# Altium PCB LTC5584.PcbDoc (continued)
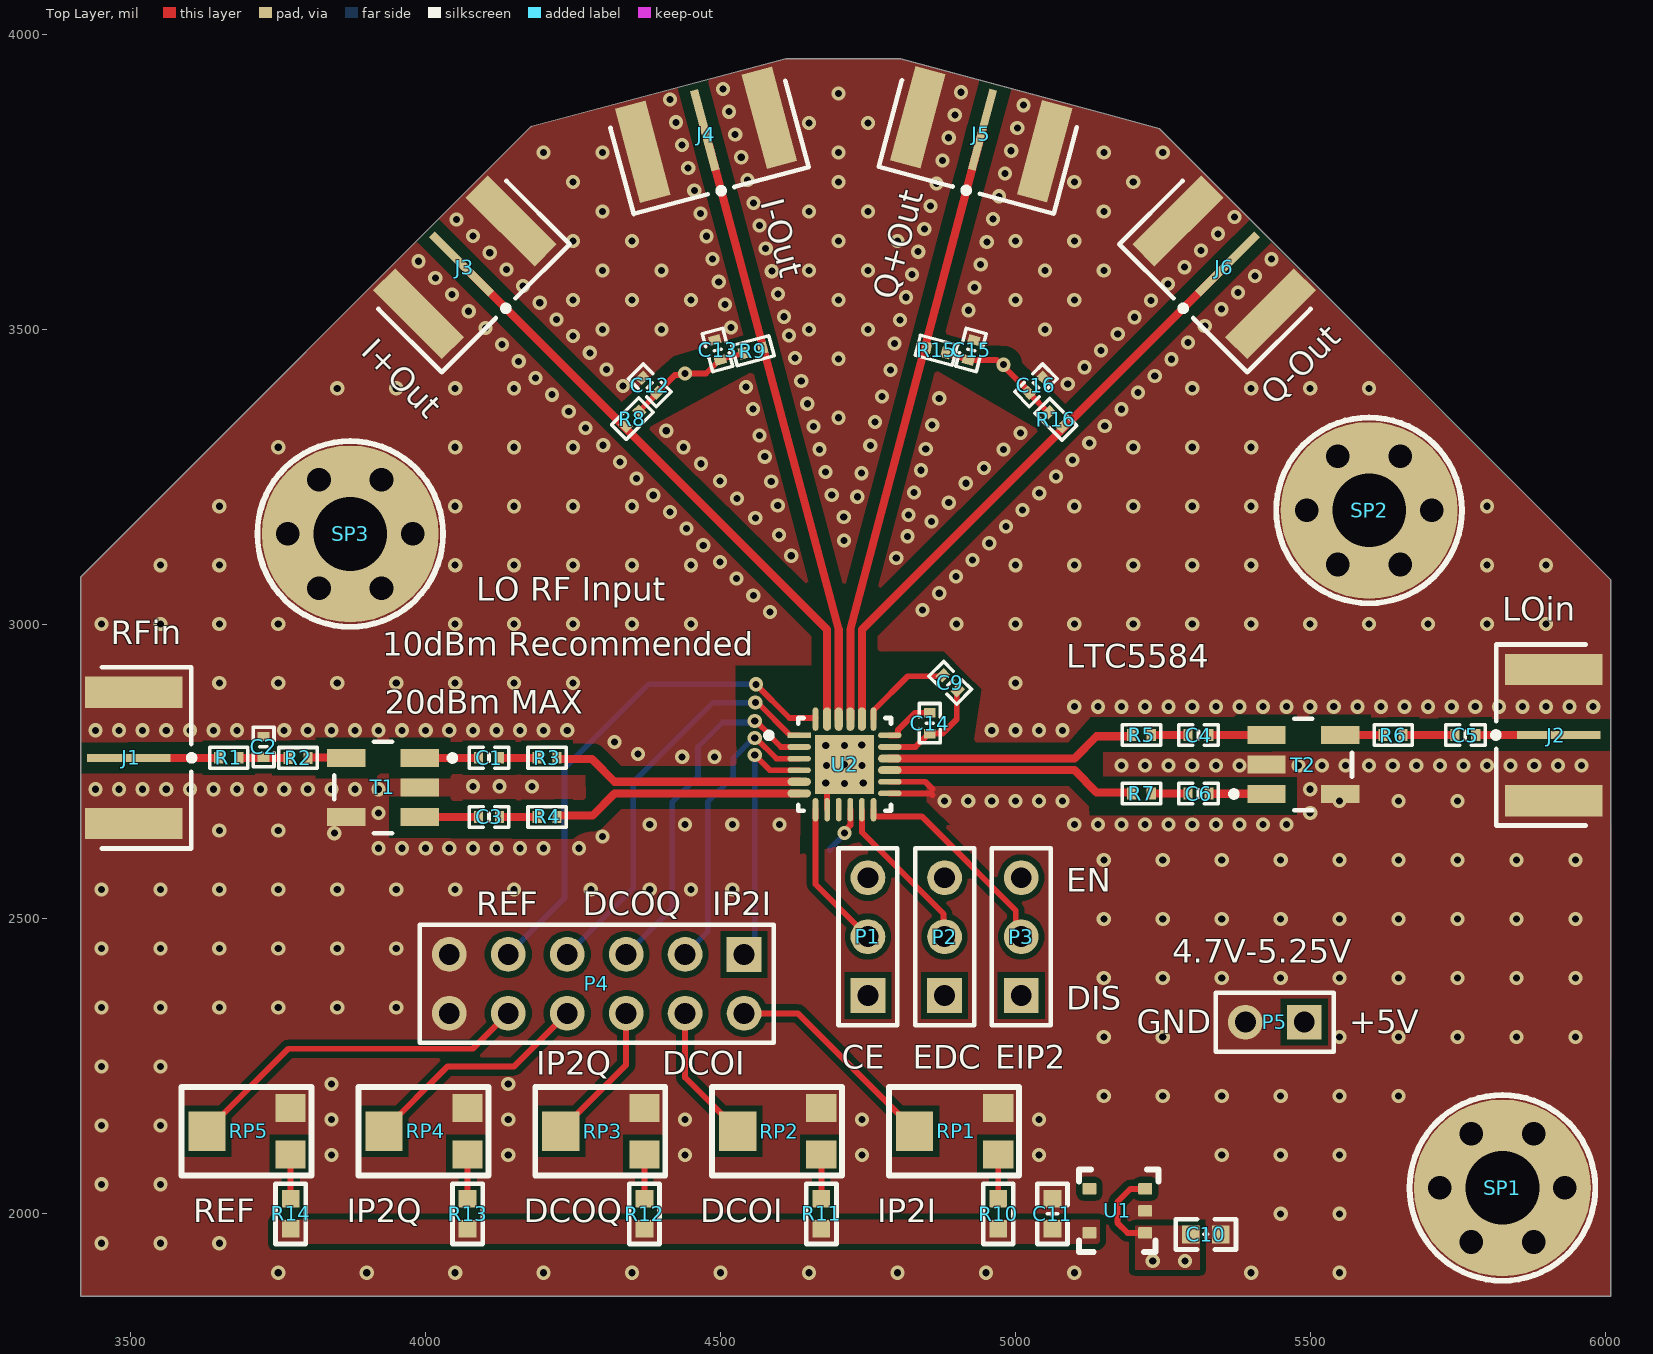
[diagram p0: Top Layer view]
## Layer stack, top to bottom
Top Solder: solder mask 0.4, Solder Resist, Dk 3.5
Top Layer: signal copper 1.4
Dielectric 2: prepreg 2.8, PP-006, Dk 4.1
GND: signal copper 1.378
Dielectric 1: dielectric 12.6, FR-4, Dk 4.8
VCC: signal copper 1.378
Dielectric 3: prepreg 2.8, PP-006, Dk 4.1
Bottom Layer: signal copper 1.4
Bottom Solder: solder mask 0.4, Solder Resist, Dk 3.5

## Board outline
3415,1860 3415,3080 4178.81,3843.81 4178.76,3843.98 4610.42,3958.87 4805.19,3958.87 5155,3865 5245.02,3840.14 5245.02,3839.98 6010,3075 6010,1860

## Design rules (kind name [scope] priority, off if disabled: settings)
Clearance [All] p1: gap=10 ignorepadtopadclearanceinfootprint=TRUE except(4: Arc-Arc Arc-Track Track-Track; 5: Arc-SMDPad Arc-THPad Arc-Via Arc-Text Arc-Hole Track-SMDPad Track-THPad Track-Via Track-Text Track-Hole SMDPad-SMDPad SMDPad-THPad SMDPad-Via SMDPad-Text SMDPad-Hole THPad-THPad THPad-Via THPad-Text THPad-Hole Via-Via Via-Text Via-Hole Text-Text Text-Hole)
PlaneConnect [All] p1: planeconnectstyle=Direct reliefexpansion=20 reliefentries=4 reliefconductorwidth=10 reliefairgap=10
PolygonConnect [All] p1: connectstyle=Direct reliefconductorwidth=10 reliefentries=4 polygonreliefangle="90 Angle" airgapwidth=10
RoutingVias [All] p1: holewidth=28 width=50 viastyle="Through Hole" minholewidth=28 minwidth=50 maxholewidth=28 maxwidth=50
SolderMaskExpansion [All] p1: expansion=4 istentingtop=FALSE
Width [All] p1: maxlimit=20 minlimit=9.55 preferedwidth=13.75
29 further rules are at their usual default settings.

## Components (designator, comment, footprint, x,y, rotation, side; value= is the part's Value field where it differs from the comment)
C1 "10nF" "C 0402_L" 4107.38,2773.18 r0 top
C2 "2.7pF" "C 0402_L" 3725,2791.88 r270 top
C3 "10nF" "C 0402_L" 4107.38,2673 r0 top
C4 "1nF" "C 0402_L" 5310.62,2811.96 r0 top
C5 "1nF" "C 0402_L" 5763.24,2812 r0 top
C6 "1nF" "C 0402_L" 5310.62,2712.77 r0 top
C7 "10nF" "C 0402_L" 4668,2617 r180 bottom
C8 "4.7uF" "C 0603_L" 4640,2560 r180 bottom
C9 "100nF" "C 0402_L" 4889.52,2900.47 r135 top
C10 "2.2uF" "C 0603_L" 5322.97,1965 r180 top
C11 "2.2uF" "C 0603_L" 5062.97,2000 r270 top
C12 "1uF" "C 0402_L" 4380,3405 r315 top
C13 "1uF" "C 0402_L" 4495,3465 r285 top
C14 "100nF" "C 0402_L" 4855,2832 r90 top
C15 "1uF" "C 0402_L" 4925,3465 r255 top
C16 "1uF" "C 0402_L" 5035,3405 r225 top
C17 "100nF" "C 0402_L" 4580,2620 r0 bottom
C18 "100nF" "C 0402_L" 4500,2620 r0 bottom
C19 "100nF" "C 0402_L" 4420,2720 r135 bottom
C20 "100nF" "C 0402_L" 4435,2845.76 r135 bottom
C21 "100nF" "C 0402_L" 4480,2922.29 r90 bottom
J1 "SMA-J-P-H-ST-EM1" FP-SMA-J-P-H-ST-EM1-MFG 3234.5,2773.18 r270 top
J2 "SMA-J-P-H-ST-EM1" FP-SMA-J-P-H-ST-EM1-MFG 6183.5,2811.96 r90 top
J3 "SMA-J-P-H-ST-EM1" FP-SMA-J-P-H-ST-EM1-MFG 3875.33,3796.11 r225 top
J4 "SMA-J-P-H-ST-EM1" FP-SMA-J-P-H-ST-EM1-MFG 4405.62,4090.91 r195 top
J5 "SMA-J-P-H-ST-EM1" FP-SMA-J-P-H-ST-EM1-MFG 5012.05,4091.67 r165 top
J6 "SMA-J-P-H-ST-EM1" FP-SMA-J-P-H-ST-EM1-MFG 5545.19,3796.11 r135 top
P1 "Header 3" HDR1X3 4750,2370 r90 top
P2 "Header 3" HDR1X3 4880,2370 r90 top
P3 "Header 3" HDR1X3 5010,2370 r90 top
P4 "Header 6X2" HDR2X6 4540,2440 r180 top
P5 "Header 2" HDR1X2 5490,2325 r180 top
R1 "5.6nH" "R 0402_L" 3665.02,2773.18 r0 top
R2 "7.5nH" "R 0402_L" 3782.52,2773.07 r0 top
R3 "0" "R 0402_L" 4205,2773.18 r0 top
R4 "0" "R 0402_L" 4205,2673 r0 top
R5 "0" "R 0402_L" 5213,2812 r0 top
R6 "0" "R 0402_L" 5639.82,2812 r0 top
R7 "0" "R 0402_L" 5213,2712.77 r0 top
R8 "100" "R 0402_L" 4350,3348 r45 top
R9 "100" "R 0402_L" 4554.02,3463.58 r15 top
R10 "400" "R 0603_L" 4971,2000 r270 top
R11 "400" "R 0603_L" 4671,2000 r270 top
R12 "400" "R 0603_L" 4371,2000 r270 top
R13 "400" "R 0603_L" 4071,2000 r270 top
R14 "400" "R 0603_L" 3771,2000 r270 top
R15 "100" "R 0402_L" 4865,3465 r345 top
R16 "100" "R 0402_L" 5068,3348 r315 top
RP1 "500" 3303W 4900,2140 r90 top
RP2 "500" 3303W 4600,2140 r90 top
RP3 "500" 3303W 4300,2140 r90 top
RP4 "500" 3303W 4000,2140 r90 top
RP5 "500" 3303W 3700,2140 r90 top
SP1 "M3铜柱" M3x4_N 5826,2044 r0 top
SP2 "M3铜柱" M3x4_N 5600,3193 r0 top
SP3 "M3铜柱" M3x4_N 3872,3153 r0 top
T1 "TC1-1-13M+" FP-TC1-1-13M+-MFG 3927.53,2723 r270 top
T2 "TC1-1-13M+" FP-TC1-1-13M+-MFG 5488.5,2761.96 r90 top
U1 "LR8323B-T18" DBV0005A_L 5172.97,2005 r180 top
U2 "LTC5584IUF#PBF" FP-UF-24-05-08-1697-IPC_A 4710.26,2762.18 r0 top locked

## Footprints (in the part's own frame and the unit in brackets; to place one, negate y for a bottom-side part, rotate by r counter-clockwise, add the part's x,y. Pads: shape width x height; smd on the part's side, far side on the other; paste and mask are expansions set on the pad)
3303W [mm] "3.5*3.1*1.5mm"
  rect 1.2x1.3 smd: 1(-1,-1.8) 3(1,-1.8)
  rect 1.7x1.6 smd: 2(0,1.8)
  silkscreen extent -1.9,-2.7 1.9,2.9, body extent -1.55,-2.05 1.55,2.05, height 1.45
"C 0402_L" [mm] "无极性贴片电容"
  rect 0.4x0.5 smd: 1(-0.45,0) 2(0.45,0)
  silkscreen extent -0.85,-0.45 0.85,0.45, body extent -0.5,-0.26 0.5,0.26, height 0.53
"C 0603_L" [mil] "无极性贴片电容"
  rect 30x30 smd: 1(-25.59,0) 2(25.59,0)
  silkscreen extent -51,-26 51,26, body extent -31,-16 31,16, height 32
DBV0005A_L [mm] "SOT23, 5-Leads, Body 3.05x1.75mm, Pitch 0.95mm, IPC High Density"
  rrect18% 0.6x0.5 smd mask+0.051: 1(-1.2,0.95) 2(-1.2,0) 3(-1.2,-0.95) 4(1.2,-0.95) 5(1.2,0.95)
  silkscreen extent -1.78,-1.78 1.65,1.78, body extent -1.42,-1.46 1.42,1.46, height 1.08
FP-SMA-J-P-H-ST-EM1-MFG [mm]
  rect 0.349x3.6 smd paste+0 mask+0: 1(0,6.66)
  rect 1.35x4.2 smd paste+0 mask+0: 2(-2.825,6.86) 3(2.825,6.86)
  rect 1.35x4.2 smd far side paste+0 mask+0: 4(-2.825,6.86) 5(2.825,6.86)
  silkscreen extent -3.9,5.5 3.9,9.49, body extent -3.6,-4.92 3.6,9.06, height 0.25
FP-TC1-1-13M+-MFG [mil]
  rect 30x65 smd paste+0 mask+0: 1(-50,62.5) 2(0,62.5) 3(50,62.5) 4(50,-62.5) 6(-50,-62.5)
  silkscreen extent -77,-82 78,123, body extent -81,-99 81,99, height 10
FP-UF-24-05-08-1697-IPC_A [mm]
  rect 1.01x0.242 smd paste+0 mask+0: 1(-1.951,1.25)
  rrect100% 1.01x0.242 smd paste+0 mask+0: 2(-1.951,0.75) 3(-1.951,0.25) 4(-1.951,-0.25) 13(1.951,-1.25) 14(1.951,-0.75) 17(1.951,0.75) 18(1.951,1.25)
  rrect100% 1.01x0.349 smd paste+0 mask+0: 5(-1.951,-0.75) 6(-1.951,-1.25) 15(1.951,-0.25) 16(1.951,0.25)
  rrect100% 0.242x1.01 smd paste+0 mask+0: 7(-1.25,-1.951) 8(-0.75,-1.951) 9(-0.25,-1.951) 10(0.25,-1.951) 11(0.75,-1.951) 12(1.25,-1.951) 19(1.25,1.951) 24(-1.25,1.951)
  rrect100% 0.349x1.01 smd paste+0 mask+0: 20(0.75,1.951) 21(0.25,1.951) 22(-0.25,1.951) 23(-0.75,1.951)
  rect 2.55x2.55 smd paste-1000 mask+0: 25(0,0)
  silkscreen extent -3.38,-2 2,2, body extent -2.96,-2.96 2.96,2.96, height 0.25
HDR1X2 [mm] "Connector; Header; 2 Position"
  rect 1.5x1.5 hole 0.9: 1(0,0)
  round 1.5 hole 0.9: 2(2.54,0)
  silkscreen extent -1.27,-1.27 3.81,1.27
HDR1X3 [mm] "Connector; Header; 3 Position"
  rect 1.5x1.5 hole 0.9: 1(0,0)
  round 1.5 hole 0.9: 2(2.54,0) 3(5.08,0)
  silkscreen extent -1.27,-1.27 6.35,1.27
HDR2X6 [mm] "Connector; Header; 6x2 Position"
  rect 1.5x1.5 hole 0.9: 1(0,0)
  round 1.5 hole 0.9: 2(0,2.54) 3(2.54,0) 4(2.54,2.54) 5(5.08,0) 6(5.08,2.54) 7(7.62,0) 8(7.62,2.54) 9(10.16,0) 10(10.16,2.54) 11(12.7,0) 12(12.7,2.54)
  silkscreen extent -1.27,-1.27 13.97,3.81
M3x4_N [mil] "M3铜柱，长：4mm"
  round 40 hole 40: 1(-106,0) 1(-53,-91.8) 1(-53,91.8) 1(53,-91.8) 1(53,91.8) 1(106,0)
  round 300 hole 125: 1(0,0)
  silkscreen extent -157,-157 157,157, body extent -106,-93 106,93, height 159
"R 0402_L" [mm] "1/16W贴片电阻 https://item.taobao.com/item.htm?ft=t&id=613637044352"
  rect 0.4x0.5 smd: 1(-0.4,0) 2(0.45,0)
  silkscreen extent -0.8,-0.45 0.85,0.45, body extent -0.5,-0.25 0.5,0.25, height 0.3
"R 0603_L" [mil] "1/10W贴片电阻 https://item.taobao.com/item.htm?ft=t&id=613637044352"
  rect 30x30 smd: 1(-25.59,0) 2(25.59,0)
  silkscreen extent -51,-26 51,26, body extent -31,-16 32,16, height 16

## Part data
C1 C2 C3 C4 C5 C6 C7 C8 C9 C10 C11 C12 C13 C14 C15 C16 C17 C18 C19 C20 C21: library part C, "贴片电容", BOM名称=贴片电容, 下单链接=https://item.taobao.com/item.htm?ft=t&id=613637044352, 淘宝ID=小糖豆的小窝窝
J1 J2 J3 J4 J5 J6: library part CMP-02754-000006-1, "CONN SMA JACK STR 50OHM EDGE MNT", Case/Package=SMA, Dielectric Material=PTFE, Housing Color=Gold, Max Frequency=6GHz, Max Operating Temperature=125°C, Min Operating Temperature=-65°C, Package Quantity=1, Voltage Rating=335V, Body Material=Brass, Body Plating=Gold, Center Contact Plating=Gold, Connector Type=SMA, Contact Material=Copper, Contact Plating=Gold, Depth=13.33mm, Fastening Type=Threaded, Impedance=50R, Insulation Material=Polytetrafluoroethylene, Length=6.35mm, Mount=Edge, Orientation=Straight, Packaging=Tray, Radiation Hardening=No, RoHS Compliant=Yes, Series=SMA, Termination=Solder
P1 P2 P3: "Header, 3-Pin", LatestRevisionDate=17-Jul-2002, LatestRevisionNote="Re-released for DXP Platform.", Publisher="Altium Limited"
P4: "Header, 6-Pin, Dual row", LatestRevisionDate=17-Jul-2002, LatestRevisionNote="Re-released for DXP Platform.", Publisher="Altium Limited"
P5: "Header, 2-Pin", LatestRevisionDate=17-Jul-2002, LatestRevisionNote="Re-released for DXP Platform.", Publisher="Altium Limited"
R1 R2 R3 R4 R5 R6 R7 R8 R9 R10 R11 R12 R13 R14 R15 R16: library part R, "贴片电阻", BOM名称=贴片电阻, 下单链接=https://item.taobao.com/item.htm?ft=t&id=613637044352, 淘宝ID=小糖豆的小窝窝
RP1 RP2 RP3 RP4 RP5: library part RP-SMD, "贴片电位器", BOM名称=贴片电位器, 下单链接=https://item.taobao.com/item.htm?ft=t&id=613637044352, 淘宝ID=小糖豆的小窝窝
SP1 SP2 SP3: library part 铜柱大焊盘, "铜柱", BOM名称=铜柱, 下单链接=https://item.taobao.com/item.htm?ft=t&id=613637044352, 淘宝ID=小糖豆的小窝窝
T1 T2: library part CMP-199822-000006-1, "RF Transformer Surface Mount 50Ω 4.5 to 3000 MHz", Frequency=4.5-3000MHz, Manufacturer=Mini-Circuits, Package=0, Temperature="-40°C to +85°C", Temperature Range High=+85°C, Temperature Range Low=-40°C, Automotive=No, Category=Trans, ComponentLink2Description=Datasheet, ComponentLink2URL=https://www.minicircuits.com/pdfs/TC1-1-13M+.pdf, Device Class L1="Passive Components", Device Class L2=Transformers, Device Class L3=unset, Footprint Url=https://www.minicircuits.com/case_style/AT224-1A.pdf, Height=4.06mm, Insertion Loss=0.18-3.02dB, Lead Free=Yes, Manufacturer Part Number=TC1-1-13M+, Octopart=https://octopart.com/tc1-1-13m%2B-mini-circuits-3993639, RoHS=TRUE, Turns Ratio=1:1
U1: "None"
U2: library part CMP-09141-000307-1, "RF DEMOD IC 30MHZ-1.4GHZ 24QFN", Case/Package=QFN, Max Frequency=1.4GHz, Max Operating Temperature=105°C, Max Supply Voltage=5.25V, Min Frequency=30MHz, Min Operating Temperature=-40°C, Min Supply Voltage=4.75V, Package Quantity=91, Gain=5.4dB, Lead Free="Lead Free", Noise Figure=9.9dB, Number of Pins=24, Packaging=Rail/Tube, Radiation Hardening=No, Reach SVHC Compliant=Yes, RoHS Compliant=Yes

## Via types
v1: diameter 24, hole 12, Top Layer to Bottom Layer, tented both sides, 508 vias

## Nets (pads, with @x,y where several pads share a name; then routed paths per layer and width w, separated by ;. In a path a pad name is that pad's centre, name@x,y a point inside that pad or via, vN(x,y) a via of type N, cw(c..) or ccw(c..) an arc to the next point about the centre after c; other vN are vias at no path point)
1V8: C11.2 R10.2 R11.2 R12.2 R13.2 R14.2 U1.5
+5: C7.1 C8.1 C10.2 C12.2 C13.2 C15.2 C16.2 P1.3 P2.3 P3.3 P5.1 R8.2 R9.1 R15.2 R16.1 U1.1 U1.3 U2.10 | length 664.4
  Top Layer w10: R8.2 4362.53,3361.5 4392.52,3391.5 C12.2 4422.37,3422.32 4437.32,3422.32 v1(4440,3425) 4475.3,3425 4498.19,3447.89 C13.2 4504,3450.1 4536.05,3458.68 R9.1 ; v1(4710.26,2645.8) 4710.26,2649.04 4720.1,2658.89 U2.10 ; R15.2 4884.39,3457.82 4915.8,3449.4 C15.2 4968.32,3447.89 4976.21,3440 v1(4980,3440) 4980,3437.47 5022.47,3395 C16.2 5025.95,3389.11 5054.36,3360.7 R16.1 ; U1.1 5190.37,1967.6 5172.97,1985 5172.97,2020 5195.37,2042.4 U1.3 ; C10.2@5294.78,1967.6 C10.2
  Bottom Layer w10: C7.1 4685.72,2618.97 4710.26,2643.51 v1(4710.26,2645.8)
  other v1: 5232.97,1920 5287.97,1920
DCOI: C18.1 P4.3 U2.3 | length 506.9
  Top Layer w9.55: v1(4558,2807) 4559.79,2807 4594.77,2772.02 U2.3
  Bottom Layer w9.55: P4.3 4478.23,2478.23 4478.23,2698.23 4521.77,2741.77 4521.77,2772.56 4556.21,2807 v1(4558,2807)
DCOI_ADJ: P4.4 RP2.2 | length 236.9
  Top Layer w10: P4.4 4440,2231.1 4529.13,2141.97 RP2.2
DCOQ: C19.1 P4.5 U2.2 | length 611.6
  Top Layer w9.55: v1(4558,2836) 4559.79,2836 4582.95,2812.84 4582.95,2811.05 4602.29,2791.71 U2.2
  Bottom Layer w9.55: P4.5 4418.23,2518.23 4418.23,2698.23 4461.77,2741.77 4461.77,2791.77 4503.23,2833.23 4555.23,2833.23 v1(4558,2836)
DCOQ_ADJ: P4.6 RP3.2 | length 245.9
  Top Layer w10: RP3.2 4229.13,2141.97 4340,2252.83 P4.6
EDC: P2.2 U2.11 | length 273.4
  Top Layer w10: U2.11 4739.79,2647.1 4878.22,2508.67 4878.22,2471.78 P2.2
EIP2: P3.2 U2.12 | length 366.8
  Top Layer w10: U2.12 4759.47,2674.23 4759.7,2674 4841,2674 5000.61,2514.39 5000.61,2479.39 P3.2
EN: P1.2 U2.7 | length 252.2
  Top Layer w10: U2.7 4661.05,2558.95 P1.2
GND: C2.1 C7.2 C8.2 C10.1 C11.1 C12.1 C13.1 C15.1 C16.1 C17.2 C18.2 C19.2 C20.2 C21.2 J1.2 J1.3 J1.4 J1.5 J2.2 J2.3 J2.4 J2.5 J3.2 J3.3 J3.4 J3.5 J4.2 J4.3 J4.4 J4.5 J5.2 J5.3 J5.4 J5.5 J6.2 J6.3 J6.4 J6.5 P4.11 P4.12 P5.2 RP1.3 RP2.3 RP3.3 RP4.3 RP5.3 SP1.1 SP2.1 SP3.1 T1.2 T1.4 T2.2 T2.6 U1.2 U2.8 U2.13 U2.14 U2.25 | length 198.3
  Top Layer w10: v1(4678.51,2730.43) 4680.73,2728.21 U2.8 ; U2.13 4857.03,2712.97 4860,2710 ; U2.14 4847.35,2732.65 4860,2720
  other v1: 3750,1900 3900,1900 4050,1900 4200,1900 4350,1900 4500,1900 4650,1900 4800,1900 4950,1900 5100,1900 5400,1900 5550,1900 3450,1950 3550,1950 3650,1950 5450,2000 5550,2000 3450,2050 3550,2050 3840,2100 4140,2100 4440,2100 4740,2100 5040,2100 5350,2100 5450,2100 5550,2100 3450,2150 3550,2150 3840,2160 4140,2160 4440,2160 4740,2160 5040,2160 5150,2200 5250,2200 5350,2200 5450,2200 5550,2200 5650,2200 3840,2220 4140,2220 3450,2250 3550,2250 5150,2300 5250,2300 5550,2300 5650,2300 5750,2300 5850,2300 5950,2300 3450,2350 3550,2350 3650,2350 3750,2350 3850,2350 3950,2350 5150,2400 5250,2400 5350,2400 5450,2400 5550,2400 5650,2400 5750,2400 5850,2400 5950,2400 3450,2450 3550,2450 3650,2450 3750,2450 3850,2450 3950,2450 5150,2500 5250,2500 5350,2500 5450,2500 5550,2500 5650,2500 5750,2500 5850,2500 5950,2500 3450,2550 3550,2550 3650,2550 3750,2550 3850,2550 3950,2550 4050,2550 4150,2550 4280,2550 4380,2550 4450,2550 4520,2550 5150,2600 5250,2600 5350,2600 5450,2600 5550,2600 5650,2600 5750,2600 5850,2600 5950,2600 3920,2620 3960,2620 4000,2620 4040,2620 4080,2620 4120,2620 4160,2620 4200,2620 4260,2620 4300,2640 3845.03,2645.5 3650,2650 3750,2650 4380,2660 4440,2660 4520,2660 4600,2660 5100,2660 5140,2660 5180,2660 5220,2660 5260,2660 5300,2660 5340,2660 5380,2660 5420,2660 5460,2660 3920,2680 5500,2680 4880,2700 4920,2700 4960,2700 5000,2700 5040,2700 5080,2700 5550,2700 5650,2700 5750,2700 3440,2720 3480,2720 3520,2720 3560,2720 3600,2720 3640,2720 3680,2720 3720,2720 3760,2720 3800,2720 3840,2720 3880,2720 3920,2720 5500,2720 4180.55,2724.39 4080,2725 4125,2725 4710,2730 4742.01,2730.43 4680,2760 4740,2760 5180,2760 5220,2760 5260,2760 5300,2760 5340,2760 5380,2760 5480,2760 5520,2760 5560,2760 5600,2760 5640,2760 5680,2760 5720,2760 5760,2760 5800,2760 5840,2760 5880,2760 5920,2760 5960,2760 4710.26,2762.18 4435,2775 4490,2775 4360,2780 4678.51,2793.93 4710.2,2794.48 4739.46,2794.89 4320,2800 3440,2820 3480,2820 3520,2820 3560,2820 3600,2820 3640,2820 3680,2820 3760,2820 3800,2820 3840,2820 3880,2820 3920,2820 3960,2820 4000,2820 4040,2820 4080,2820 4120,2820 4160,2820 4200,2820 4240,2820 4960,2820 5000,2820 5040,2820 5080,2820 5100,2860 5140,2860 5180,2860 5220,2860 5260,2860 5300,2860 5340,2860 5380,2860 5420,2860 5460,2860 5500,2860 5540,2860 5580,2860 5620,2860 5660,2860 5700,2860 5740,2860 5780,2860 5820,2860 5860,2860 5900,2860 5940,2860 5980,2860 3650,2900 3750,2900 3850,2900 3950,2900 4050,2900 4150,2900 4250,2900 5000,2900 3450,3000 3550,3000 3650,3000 3750,3000 4050,3000 4150,3000 4250,3000 4350,3000 4450,3000 4900,3000 5000,3000 5100,3000 5200,3000 5300,3000 5400,3000 5500,3000 5600,3000 5700,3000 5800,3000 5900,3000 4583.88,3020.6 4842.6,3024.12 4555.59,3048.89 4870.89,3052.41 4527.31,3077.17 4899.17,3080.69 3550,3100 3650,3100 4050,3100 4150,3100 4250,3100 4350,3100 4450,3100 5000,3100 5100,3100 5200,3100 5300,3100 5400,3100 5800,3100 5900,3100 4499.02,3105.46 4927.46,3108.98 4798,3112 4620,3116 4470.74,3133.74 4955.74,3137.26 4709.32,3141.98 4817,3149 4599,3151 4442.46,3162.02 4984.02,3165.54 4858,3174 4559,3180 4709,3182 4819,3185 4414.17,3190.31 5012.31,3193.83 3650,3200 4050,3200 4150,3200 4250,3200 4350,3200 5100,3200 5200,3200 5300,3200 5400,3200 5800,3200 4597,3201 4887,3206 4528,3213 4732,3216 4385.89,3218.59 4688.61,3219.26 5040.59,3222.11 4828,3223 4916,3239 4586,3242 4499,3243 4357.6,3246.88 5068.88,3250.4 4739,3256 4678.26,3257.89 4840,3261 4947,3265 4467,3272 4329.32,3275.16 5097.16,3278.68 4575,3284 4980,3296 4667.91,3296.53 4848,3297 3750,3300 4050,3300 4150,3300 4250,3300 4437,3300 5200,3300 5300,3300 5400,3300 4301.03,3303.45 4754,3303 5125.45,3306.97 4566,3320 5009,3324 4408,3328 4270.88,3332.6 4657.55,3335.17 5151.6,3336.12 4859,3338 4762,3343 4700,3350 4242.59,3360.89 5179.89,3364.41 4555,3365 4647.2,3373.81 4871,3383 4774,3386 4214.31,3389.17 5208.17,3392.69 3850,3400 3950,3400 4050,3400 4150,3400 5300,3400 5400,3400 5500,3400 5600,3400 4543,3402 4334.88,3403.6 5088.83,3407.4 4636.85,3412.44 4186.02,3417.46 5236.46,3420.98 4788,3431 4306.59,3431.89 5117.11,3435.69 4157.74,3445.74 5264.74,3449.26 4700,3450 4626.5,3451.08 4278.31,3460.17 5145.39,3463.97 4129.46,3474.02 4795,3476 5293.02,3477.54 4250.02,3488.46 4616.14,3489.72 5173.68,3492.26 4300,3500 4400,3500 4650,3500 4750,3500 5050,3500 4101.17,3502.31 4517.67,3503.35 5321.31,3505.83 4804.16,3515.75 4221.74,3516.74 4607.67,3521.35 5201.96,3520.54 4072.89,3530.59 4920.51,3532.38 5349.59,3534.11 4507.32,3541.98 4193.46,3545.02 5230.25,3548.83 4250,3550 4350,3550 4450,3550 4700,3550 5000,3550 5100,3550 4814.51,3554.38 4044.6,3558.88 4597.32,3559.98 5377.88,3562.4 4930.87,3571.02 4165.17,3573.31 5258.53,3577.11 4496.97,3580.62 4016.32,3587.16 5406.16,3590.68 4824.87,3593.02 4586.97,3598.62 4300,3600 4400,3600 4650,3600 4750,3600 5050,3600 5150,3600 4136.89,3601.59 5286.82,3605.39 4941.22,3609.66 3988.03,3615.45 4486.61,3619.26 5434.45,3618.97 4108.6,3629.88 4835.22,3631.66 5315.1,3633.68 4576.61,3637.26 4951.57,3648.29 4250,3650 4350,3650 4700,3650 4800,3650 5000,3650 5100,3650 4080.32,3658.16 4476.26,3657.89 5343.38,3661.96 4845.57,3670.29 4566.26,3675.89 4052.03,3686.45 4961.92,3686.93 5371.67,3690.25 4465.91,3696.53 4300,3700 4650,3700 4750,3700 5150,3700 4855.92,3708.93 4555.91,3714.53 4972.28,3725.57 4455.55,3735.17 4866.28,3747.57 4250,3750 4700,3750 5100,3750 5200,3750 4545.55,3753.17 4982.63,3764.21 4445.2,3773.81 4876.63,3786.21 4535.2,3791.81 4200,3800 4300,3800 4700,3800 5150,3800 5250,3800 4992.98,3802.84 4434.85,3812.44 4886.98,3824.84 4524.85,3830.44 5003.34,3841.48 4650,3850 4750,3850 4424.5,3851.08 4897.34,3863.48 4514.5,3869.08 5013.69,3880.12 4414.14,3889.72 4700,3900 4907.69,3902.12 4504.14,3907.72
I+: J3.1 R8.1 U2.23 | length 1028.5
  Top Layer w13.75: J3.1 4680.73,2990.71 4680.73,2852 U2.23
I-: J4.1 R9.2 U2.22 | length 1028.5
  Top Layer w13.75: J4.1 4572.39,3468.5 4700.42,2990.71 U2.22
IP2I: C17.1 P4.1 U2.4 | length 431.5
  Top Layer w9.55: v1(4558,2778) 4583.66,2752.34 U2.4
  Bottom Layer w10: P4.1 4558,2458 v1(4558,2778)
IP2I_ADJ: P4.2 RP1.2 | length 373.1
  Top Layer w10: P4.2 4631.1,2340 4829.13,2141.97 RP1.2
IP2Q: C20.1 P4.7 U2.1 | length 698.8
  Top Layer w9.55: v1(4559,2867) 4562.73,2867 4618.34,2811.39 U2.1
  Bottom Layer w9.55: P4.7 4351.77,2551.77 4351.77,2731.77 4450.38,2830.38 4487,2867 v1(4559,2867)
IP2Q_ADJ: P4.8 RP4.2 | length 394.9
  Top Layer w10: RP4.2 3929.13,2141.97 4036.7,2249.54 4149.54,2249.54 P4.8
LO+: R7.1 U2.15 | length 426.5
  Top Layer w13.75: U2.15 5100.08,2752.34 5137.89,2714.53 R7.1@5197.89,2714.53
LO-: R5.1 U2.16 | length 426.5
  Top Layer w13.75: U2.16 5100.08,2772.02 5137.89,2809.83 R5.1@5197.89,2809.83
NetC1_1: C1.1 T1.1 | length 99.7
  Top Layer w13.75: T1.1 3990.13,2773.09 4089.57,2773.09 C1.1
NetC1_2: C1.2 R3.1 | length 64.2
  Top Layer w13.75: C1.2 R3.1
NetC2_2: C2.2 R1.2 R2.1 | length 84.8
  Top Layer w13.75: R1.2 3682.79,2773.12 3766.71,2773.12 R2.1 R2.1@3766.29,2772.59
NetC3_1: C3.1 T1.3 | length 99.6
  Top Layer w13.75: T1.3 C3.1
NetC3_2: C3.2 R4.1 | length 64.2
  Top Layer w13.75: C3.2 R4.1
NetC4_1: C4.1 R5.2 | length 62.2
  Top Layer w13.75: R5.2 C4.1
NetC4_2: C4.2 T2.3 | length 97.6
  Top Layer w13.75: C4.2 5328.43,2812.06 T2.3@5425.91,2812.06
NetC5_1: C5.1 R6.2 | length 88
  Top Layer w13.75: R6.2 C5.1
NetC5_2: C5.2 J2.1 | length 140.3
  Top Layer w13.75: C5.2 J2.1
NetC6_1: C6.1 R7.2 | length 62.2
  Top Layer w13.75: R7.2 C6.1
NetC6_2: C6.2 T2.1 | length 96.8
  Top Layer w13.75: C6.2 5328.63,2712.46 5424.34,2712.46 T2.1@5424.83,2711.96
NetC9_2: C9.2 U2.19 | length 156.8
  Top Layer w10: U2.19 4759.47,2853.65 4817.43,2911.61 4875.61,2911.61 C9.2
NetC14_2: C14.2 U2.18 | length 89.1
  Top Layer w10: U2.18 4800.93,2811.39 4801.15,2811.62 4801.15,2820.71 4830.16,2849.71 C14.2
NetJ1_1: J1.1 R1.1 | length 152.6
  Top Layer w13.75: J1.1 R1.1
NetR2_2: R2.2 T1.6 | length 67.6
  Top Layer w13.75: R2.2 3800.75,2773.58 T1.6@3867.57,2773.58
NetR6_1: R6.1 T2.4 | length 73
  Top Layer w13.75: T2.4@5551.12,2812.08 5623.99,2812.08 R6.1
NetR10_1: R10.1 RP1.1 | length 75.1
  Top Layer w10: RP1.1 4971,2100.5 R10.1
NetR11_1: R11.1 RP2.1 | length 75.1
  Top Layer w10: RP2.1 4671,2100.5 R11.1
NetR12_1: R12.1 RP3.1 | length 75.1
  Top Layer w10: RP3.1 4371,2100.5 R12.1
NetR13_1: R13.1 RP4.1 | length 75.1
  Top Layer w10: RP4.1 4071,2100.5 R13.1
NetR14_1: R14.1 RP5.1 | length 75.1
  Top Layer w10: RP5.1 3771,2100.5 R14.1
Q+: J5.1 R15.1 U2.21 | length 1028.5
  Top Layer w13.75: U2.21 4720.1,2990.71 J5.1
Q-: J6.1 R16.2 U2.20 | length 1028.5
  Top Layer w13.75: U2.20 4739.79,2990.71 J6.1
REF: C21.1 P4.9 U2.24 | length 863
  Top Layer w10: v1(4560,2898) 4617.08,2840.92 U2.24@4660.82,2840.92
  Bottom Layer w10: P4.9 4235.14,2535.14 4235.14,2755.14 4378,2898 v1(4560,2898)
REF_ADJ: P4.10 RP5.2 | length 594.9
  Top Layer w10: RP5.2 3629.13,2141.97 3767.17,2280 4080,2280 P4.10
RF+: R4.2 U2.6 | length 426.5
  Top Layer w13.75: R4.2@4222.63,2675.16 4282.63,2675.16 4320.44,2712.97 U2.6
RF-: R3.2 U2.5 | length 426.5
  Top Layer w13.75: R3.2@4222.09,2771 4282.09,2771 ; 4282.63,2770.46 4320.44,2732.65 U2.5
VCAP: C9.1 C14.1 U2.17 | length 182.9
  Top Layer w10: U2.17 4830.46,2791.71 4853.03,2814.28 4876.28,2814.28 4900.66,2838.66 4900.66,2886.55 C9.1
pads on no net: P1.1 P2.1 P3.1 U1.4 U2.9

## Polygon pours and split planes (outlines as drawn)
GND on Top Layer "NONET_L-01_P-001" (solid, remove dead copper, pour order 13): 3415.39,2605.77 4635,2610 4890,2660 6010.6,2662.9 6010,1860 3415,1860
GND on Top Layer "NONET_L-01_P-001" (solid, remove dead copper, pour order 12): 6010,2785.09 5149.11,2782.72 5149.11,2741.64 5478.5,2740 5478.5,2676.96 5125,2675 5124.33,2691.06 5090.16,2725.23 4850.23,2725.23 4850,2725 4850,2697.55 4850.75,2697.55 4900,2650 6010,2650
GND on Top Layer "NONET_L-01_P-001" (solid, remove dead copper, pour order 11): 3415,2746.31 3918.37,2746.34 4270.86,2743.89 4271.41,2702.27 4042.53,2700.11 4042.53,2708 3937.53,2708 3937.53,2638 4250,2635 cw(c4281.52,2603.48) 4281.52,2648.06 4282.63,2648.06 ccw(c4282.63,2675.16) 4301.8,2656 4331.67,2685.86 4635.15,2685.86 4634.54,2599.29 3415,2595
GND on Top Layer "NONET_L-01_P-001" (solid, remove dead copper, pour order 10): 5433.6,3646.52 6010,3075 6010,2838.84 5128.25,2842.94 5088.85,2799.13 4930,2800 4942.86,2889.34 4878.39,2953.81 4766.95,2953.54 4766.89,2979.48
GND on Top Layer "NONET_L-01_P-001" (solid, remove dead copper, pour order 9): 4864.42,3430.59 5039.9,3329.16 4765,3055
GND on Top Layer "NONET_L-01_P-001" (solid, remove dead copper, pour order 8): 4994.28,3907.83 5245.02,3839.98 5398.1,3687.03 5084.47,3373.73 4995,3460 4880.58,3491.72
GND on Top Layer "NONET_L-01_P-001" (solid, remove dead copper, pour order 7): 4477.98,3923.62 4610.42,3958.87 4805.19,3958.87 4938.97,3922.76 4710.15,3060.31
GND on Top Layer "NONET_L-01_P-001" (solid, remove dead copper, pour order 6): 4376.99,3332.78 4555.01,3428.66 4651.27,3062.75
GND on Top Layer "NONET_L-01_P-001" (solid, remove dead copper, pour order 5): 4022.22,3687.22 4178.76,3843.98 4426.33,3909.8 4538.49,3490.31 4419.89,3454.46 4332.73,3377.05
GND on Top Layer "NONET_L-01_P-001" (solid, remove dead copper, pour order 4): 3415,2800.06 4289.11,2797.18 4295.65,2794.48 4331.67,2759.76 4526.58,2759.76 4525,2930 4655,2930 4653.63,2979.48 3984.22,3649.22 3415,3080
+5 on Top Layer "NONET_L-01_P-001" (solid, remove dead copper, pour order 0): 5312.97,1980 5312.97,1905 5202.97,1905 5202.97,1980
1V8 on Top Layer "NONET_L-01_P-001" (solid, remove dead copper, pour order 1): 5142.97,1990 3742.97,1990 3742.97,1948.82 5142.97,1948.82
GND on Bottom Layer "NONET_L-01_P-001" (solid, remove dead copper, pour order 16): 4178.76,3843.98 3415,3080 3415,1860 6010,1860 6010,3075 5245.02,3840.14 4805.19,3958.87 4610.42,3958.87
+5 on Bottom Layer "NONET_L-01_P-001" (solid, remove dead copper, pour order 2): 4675.87,2660 4675.87,2600 4654.52,2578.65 4654.52,2535 5045,2535 5045,2660
GND on GND "NONET_L-01_P-001" (solid, remove dead copper, pour order 14): 4178.81,3843.81 4610.42,3958.87 4805.19,3958.87 5245.02,3839.98 6010,3075 6010,1860 3418.54,1860 3415,3080
+5 on VCC "NONET_L-01_P-001" (solid, remove dead copper, pour order 15): 4178.76,3843.98 4610.42,3958.87 4805.19,3958.87 5245.02,3839.98 6010,3075 6010,1860 3415,1860 3415,3080
no net on Bottom Solder "NONET_L-01_P-001" (solid): 4631.52,2840.92 4789,2840.92 4789,2683.44 4631.52,2683.44

## Silkscreen, mask and mechanical layers (free items; w line width, h text height)
Top Overlay:
  text "I-Out" at 4567.35,3715.76 h40 r285
  text "Q+Out" at 4795.76,3547.35 h40 r75
  text "I+Out" at 3888.49,3460 h40 r315
  text "Q-Out" at 5440,3368.49 h40 r45
  text "LO RF Input" at 4086,3039.33 h40
  text "LOin" at 5826,3006 h40
  text "RFin" at 3466,2966 h40
  text "10dBm Recommended" at 3926,2946 h40
  text "LTC5584" at 5086,2926 h40
  text "20dBm MAX" at 3930.38,2848 h40
  text "EN" at 5086,2546 h40
  text "REF" at 4086,2506 h40
  text "DCOQ" at 4266,2506 h40
  text "IP2I" at 4486,2506 h40
  text "4.7V-5.25V" at 5266,2426 h40
  text "DIS" at 5086,2346 h40
  text "GND" at 5206,2306 h40
  text "+5V" at 5566,2306 h40
  text "CE" at 4706,2246 h40
  text "EDC" at 4826,2246 h40
  text "EIP2" at 4966,2246 h40
  text "IP2Q" at 4187.66,2235.98 h40
  text "DCOI" at 4401,2236 h40
  text "REF" at 3606,1986 h40
  text "IP2Q" at 3866,1986 h40
  text "DCOQ" at 4166,1986 h40
  text "DCOI" at 4466,1986 h40
  text "IP2I" at 4766,1986 h40
Bottom Overlay:
  text "JLCJLCJLCJLC" at 4274,1946 h40
Mechanical 1:
  lines w10: 4178.76,3843.98 4610.42,3958.87 4805.19,3958.87 5155,3865 5245.02,3840.14 5245.02,3839.98 6010,3075 6010,1860 3415,1860 3415,3080 4178.81,3843.81